# Allegro board 1281021_HW-FMC-XM500_Rev1_0.brd (continued)
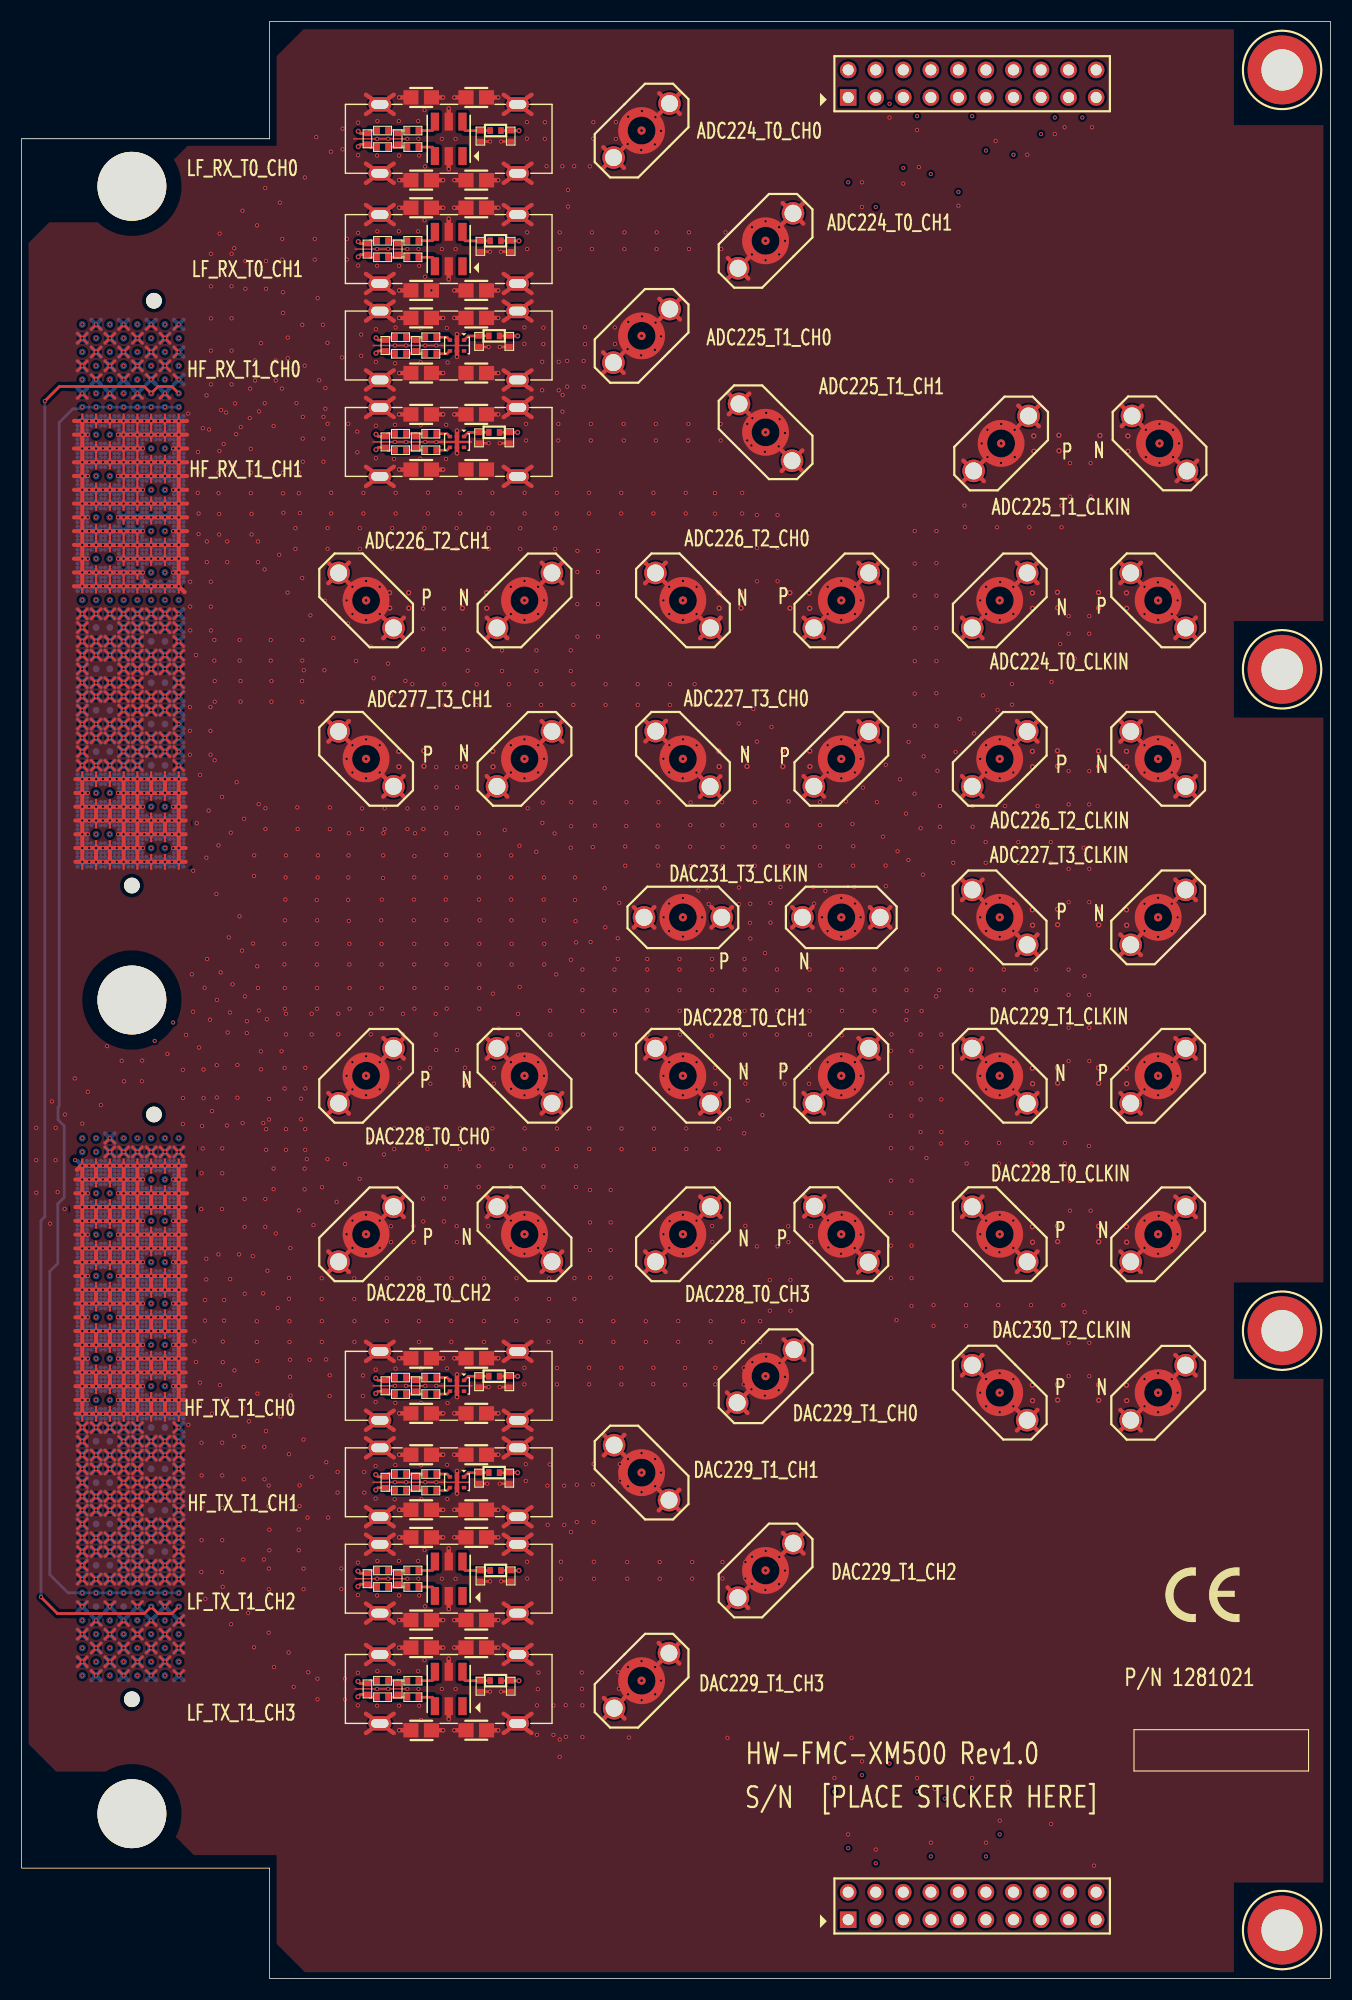
[diagram p0: board, top side]
## Nets (continued)
VCC1V8_BUS: J333.A6 J333.C6 J888.A35 J888.C35
VCC12_SW: J888.A1 J888.B1 J888.C1 J888.D1 J888.E1
ADC_CLKIN_0_N: J31.1 J333.B36
ADC_CLKIN_0_P: J30.1 J333.C36
ADC_CLKIN_1_N: J333.F35 J890.1
ADC_CLKIN_1_P: J333.G35 J889.1
ADC_CLKIN_2_N: J333.B39 J892.1
ADC_CLKIN_2_P: J333.C39 J891.1
ADC_CLKIN_3_N: J333.F38 J894.1
ADC_CLKIN_3_P: J333.G38 J893.1
ADCIO_00: J10.1 J333.A2
ADCIO_01: J10.3 J333.A4
ADCIO_02: J10.5 J333.B1
ADCIO_03: J10.7 J333.B3
ADCIO_04: J10.9(P9) J333.B5
ADCIO_05: J10.11 J333.C2
ADCIO_06: J10.13 J333.C4
ADCIO_07: J10.15 J333.D1
ADCIO_08: J10.17 J333.D3
ADCIO_09: J10.19 J333.D5
ADCIO_10: J10.20 J333.E2
ADCIO_11: J10.18 J333.E4
ADCIO_12: J10.16 J333.F1
ADCIO_13: J10.14 J333.F3
ADCIO_14: J10.12 J333.F5
ADCIO_15: J10.10 J333.G2
ADCIO_16: J10.8 J333.G4
ADCIO_17: J10.6 J333.H1
ADCIO_18: J10.4 J333.H3
ADCIO_19: J10.2 J333.H5
DAC_AVTT_BUS: J888.G1 J888.G2 J888.H1 J888.H2
DAC_CLKIN_0_N: J29.1 J888.B4
DAC_CLKIN_0_P: J28.1 J888.C4
DAC_CLKIN_1_N: J888.F5 J895.1
DAC_CLKIN_1_P: J888.G5 J896.1
DAC_CLKIN_2_N: J888.B7 J897.1
DAC_CLKIN_2_P: J888.C7 J898.1
DAC_CLKIN_3_N: J888.F8 J899.1
DAC_CLKIN_3_P: J888.G8 J900.1
DACIO_00: J9.1 J888.A37
DACIO_01: J9.3 J888.A39
DACIO_02: J9.5 J888.B36
DACIO_03: J9.7 J888.B38
DACIO_04: J9.9(P9) J888.B40
DACIO_05: J9.11 J888.C37
DACIO_06: J9.13 J888.C39
DACIO_07: J9.15 J888.D36
DACIO_08: J9.17 J888.D38
DACIO_09: J9.19 J888.D40
DACIO_10: J9.20 J888.E37
DACIO_11: J9.18 J888.E39
DACIO_12: J9.16 J888.F36
DACIO_13: J9.14 J888.F38
DACIO_14: J9.12 J888.F40
DACIO_15: J9.10 J888.G37
DACIO_16: J9.8 J888.G39
DACIO_17: J9.6 J888.H36
DACIO_18: J9.4 J888.H38
DACIO_19: J9.2 J888.H40
RFMC_ADC_00_N: J333.F9 R57.2 R59.1
RFMC_ADC_00_P: J333.G9 R59.2 R62.2
RFMC_ADC_01_N: J333.B10 R49.2 R52.1
RFMC_ADC_01_P: J333.C10 R52.2 R55.2
RFMC_ADC_02_N: J333.F12 R45.2 R48.2
RFMC_ADC_02_P: J333.G12 R43.2 R45.1
RFMC_ADC_03_N: J333.B13 R38.2 R41.2
RFMC_ADC_03_P: J333.C13 R35.2 R38.1
RFMC_ADC_04_N: J32.1 J333.F15
RFMC_ADC_04_P: J33.1 J333.G15
RFMC_ADC_05_N: J35.1 J333.B16
RFMC_ADC_05_P: J34.1 J333.C16
RFMC_ADC_06_N: J36.1 J333.F18
RFMC_ADC_06_P: J37.1 J333.G18
RFMC_ADC_07_N: J40.1 J333.B19
RFMC_ADC_07_P: J39.1 J333.C19
RFMC_DAC_00_N: J27.1 J888.B10
RFMC_DAC_00_P: J26.1 J888.C10
RFMC_DAC_01_N: J21.1 J888.F11
RFMC_DAC_01_P: J20.1 J888.G11
RFMC_DAC_02_N: J23.1 J888.B13
RFMC_DAC_02_P: J22.1 J888.C13
RFMC_DAC_03_N: J25.1 J888.F14
RFMC_DAC_03_P: J24.1 J888.G14
RFMC_DAC_04_N: J888.B16 R13.2 R15.1
RFMC_DAC_04_P: J888.C16 R15.2 R18.2
RFMC_DAC_05_N: J888.F17 R1.2 R4.1
RFMC_DAC_05_P: J888.G17 R4.2 R7.2
RFMC_DAC_06_N: J888.B19 R31.2 R34.2
RFMC_DAC_06_P: J888.C19 R28.2 R31.1
RFMC_DAC_07_N: J888.F20 R23.2 R26.2
RFMC_DAC_07_P: J888.G20 R20.2 R23.1
RFMC_I2C_SCL: J333.G6
RFMC_I2C_SDA: J333.E6
UTIL_3V3: J333.A7 J333.B7 J333.C7 J333.D7 J333.E7 J333.F7 J333.G7 J333.H7 J888.A34 J888.B34 J888.C34 J888.D34 J888.E34 J888.F34 J888.G34 J888.H34
VCM01_224: J333.A21
VCM01_225: J333.C21
VCM01_226: J333.E21
VCM01_227: J333.G21
VCM23_224: J333.B21
VCM23_225: J333.D21
VCM23_226: J333.F21
VCM23_227: J333.H21
N21418007: R96.1 R118.2 U6.1
N21418010: J1.1 R95.1 R118.1
N21418022: C11.2 R35.1 R37.1
N21418024: C12.2 R37.2 R41.1
N21418030: C11.1 U6.3
N21418037: C12.1 U6.4(Q2)
N21418044: R98.1 R117.2 U7.1
N21418047: J2.1 R97.1 R117.1
N21418055: C13.2 R43.1 R44.1
N21418057: C14.2 R44.2 R48.1
N21418063: C13.1 U7.3
N21418070: C14.1 U7.4(Q2)
N21418077: R100.1 R116.2 U8.6
N21418080: J3.1 R99.1 R116.1
N21418088: C15.2 R49.1 R51.1
N21418090: C16.2 R51.2 R55.1
N21418096: C15.1 U8.3(S-)
N21418103: C16.1 U8.4
N21418110: R102.1 R115.2 U9.6
N21418113: J4.1 R101.1 R115.1
N21418117: C17.2 R57.1 R58.1
N21418119: C18.2 R58.2 R62.1
N21418125: C17.1 U9.3(S-)
N21418132: C18.1 U9.4
N21476809: J8.1 R109.1 R111.1
N21476811: J7.1 R107.1 R112.1
N21476813: J6.1 R105.1 R113.1
N21476815: J5.1 R103.1 R114.1
N21476841: R110.1 R111.2 U1.1
N21476891: C1.2 R1.1 R3.1
N21476895: C2.2 R3.2 R7.1
N21476935: C1.1 U1.3
N21476949: C2.1 U1.4(Q2)
N21477094: R106.1 R113.2 U4.6
N21477134: C7.2 R20.1 R22.1
N21477138: C8.2 R22.2 R26.1
N21477150: C7.1 U4.3(S-)
N21477160: C8.1 U4.4
N21477168: R104.1 R114.2 U5.6
N21477182: C9.2 R28.1 R30.1
N21477186: C10.2 R30.2 R34.1
N21477198: C9.1 U5.3(S-)
N21477208: C10.1 U5.4
N21477544: R108.1 R112.2 U3.1
N21477617: C5.2 R13.1 R14.1
N21477645: C6.2 R14.2 R18.1
N21477697: C5.1 U3.3
N21477711: C6.1 U3.4(Q2)

Pads without a net: J333 B24 B27 B30 B33 C24 C27 C30 C33 F23 F26 F29 F32 G23 G26 G29 G32; J888 B22 B25 B28 B31 C22 C25 C28 C31 E35 F23 F26 F29 F32 G23 G26 G29 G32 G35; MH11 1; MH12 1; MH13 1; MH14 1; U1 6; U3 6; U4 1; U5 1; U6 6; U7 6; U8 1; U9 1

## Via types
v1: diameter 0.483, hole 0.254, TOP to L02_GND/RF-SIG, 64 vias
v2: diameter 0.381, hole 0.229, TOP to BOTTOM, 2515 vias
v3: diameter 0.483, hole 0.254, TOP to BOTTOM, 88 vias

## Routing (per net, layer and track width the routed paths; a pad name or vN(x,y) marks a point on that pad's centre or on a via; arc(x,y) is an arc through that point)
AGND: length 7708
  TOP w0.127: 30.73,159.39 v2(32.77,159.39) v2(33.78,159.39) v2(35.56,159.39) ; v2(38.23,141.6) v2(37.21,141.6) v2(35.43,141.6) v2(34.42,141.6) 32.39,141.6 ; 35.43,36.83 v2(33.78,36.83) v2(32.77,36.83) 30.73,36.83 ; 32.39,45.72 v2(34.42,45.72) v2(35.43,45.72) v2(37.21,45.72) v2(38.23,45.72) 41.27,45.72 ; 35.43,169.55 v2(33.78,169.55) v2(32.77,169.55) 30.61,169.55 ; 30.73,26.67 v2(32.77,26.67) v2(33.78,26.67) 35.43,26.67 ; v2(38.23,54.61) 41.53,54.61 ; v2(35.43,54.61) v2(37.21,54.61) ; 41.27,150.5 v2(38.23,150.5) v2(37.21,150.5) v2(35.43,150.5) v2(34.42,150.5) 32.39,150.5 ; v2(34.42,54.61) 32.39,54.61
  TOP w0.203: 8.94,48.69 v2(9.4,48.23) ; v2(9.4,48.23) 9.86,47.76 ; v2(9.4,48.23) 8.94,47.76 ; v2(9.4,48.23) 9.86,48.69 ; 8.94,151.97 v2(9.4,152.43) 9.86,151.97 ; 14.02,120.22 v2(14.48,120.68) ; v2(14.48,120.68) 14.02,121.15 ; v2(14.48,120.68) 14.94,121.15 ; v2(14.48,120.68) 14.94,120.22 ; 8.94,113.53 v2(9.4,113.06) ; v2(9.4,113.06) 8.94,112.6 ; v2(9.4,113.06) 9.86,112.6 ; v2(9.4,113.06) 9.86,113.53 ; v2(14.48,44.42) 14.94,44.88 ; v2(14.48,44.42) 14.94,43.95 ; v2(14.48,44.42) 14.02,44.88 ; v2(14.48,44.42) 14.02,43.95 ; 10.21,112.6 v2(10.67,113.06) ; v2(10.67,113.06) 11.13,113.53 ; v2(10.67,113.06) 11.13,112.6 ; v2(10.67,113.06) 10.21,113.53 ; 6.4,38.87 v2(6.86,39.34) ; v2(6.86,39.34) 6.4,39.8 ; v2(6.86,39.34) 7.32,39.8 ; v2(6.86,39.34) 7.32,38.87 ; 7.67,118.61 v2(8.13,118.14) ; v2(8.13,118.14) 8.59,117.68 ; v2(8.13,118.14) 7.67,117.68 ; v2(8.13,118.14) 8.59,118.61 ; 5.13,49.96 v2(5.59,49.5) ; v2(5.59,49.5) 6.05,49.96 ; v2(5.59,49.5) 6.05,49.03 ; v2(5.59,49.5) 5.13,49.03 ; 5.13,32.18 v2(5.59,31.72) ; v2(5.59,31.72) 6.05,31.25 ; v2(5.59,31.72) 5.13,31.25 ; v2(5.59,31.72) 6.05,32.18 ; v2(13.21,48.23) 13.67,47.76 ; v2(13.21,48.23) 13.67,48.69 ; v2(13.21,48.23) 12.75,47.76 ; v2(13.21,48.23) 12.75,48.69 ; 5.13,116.41 v2(5.59,116.87) ; v2(5.59,116.87) 6.05,116.41 ; v2(5.59,116.87) 6.05,117.34 ; v2(5.59,116.87) 5.13,117.34 ; 7.67,122.76 v2(8.13,123.22) ; v2(8.13,123.22) 8.59,123.69 ; v2(8.13,123.22) 7.67,123.69 ; v2(8.13,123.22) 8.59,122.76 ; v2(14.48,41.88) 14.94,42.34 ; v2(14.48,41.88) 14.94,41.41 ; v2(14.48,41.88) 14.02,41.41 ; v2(14.48,41.88) 14.02,42.34 ; v2(10.67,43.15) 11.13,42.68 ; v2(10.67,43.15) 10.21,42.68 ; v2(10.67,43.15) 10.21,43.61 ; v2(10.67,43.15) 11.13,43.61 ; 14.02,38.87 v2(14.48,39.34) ; v2(14.48,39.34) 14.02,39.8 ; v2(14.48,39.34) 14.94,38.87 ; v2(14.48,39.34) 14.94,39.8 ; v2(5.59,46.96) 6.05,47.42 ; v2(5.59,46.96) 5.13,47.42 ; v2(5.59,46.96) 6.05,46.49 ; v2(5.59,46.96) 5.13,46.49 ; v2(14.48,111.79) 14.94,111.33 ; v2(14.48,111.79) 14.02,112.26 ; v2(14.48,111.79) 14.02,111.33 ; 10.21,118.95 v2(10.67,119.41) ; v2(10.67,119.41) 10.21,119.88 ; v2(10.67,119.41) 11.13,118.95 ; v2(10.67,119.41) 11.13,119.88 ; 8.94,118.61 v2(9.4,118.14) ; v2(9.4,118.14) 8.94,117.68 ; v2(9.4,118.14) 9.86,117.68 ; v2(9.4,118.14) 9.86,118.61 ; v2(11.94,41.88) 12.4,42.34 ; v2(11.94,41.88) 11.48,41.41 ; v2(11.94,41.88) 11.48,42.34 ; v2(11.94,41.88) 12.4,41.41 ; v2(9.4,111.79) 9.86,112.26 ; v2(9.4,111.79) 8.94,112.26 ; v2(9.4,111.79) 9.86,111.33 ; v2(9.4,111.79) 8.94,111.33 ; v2(5.59,118.14) 6.05,117.68 ; v2(5.59,118.14) 5.13,118.61 ; v2(5.59,118.14) 5.13,117.68 ; v2(5.59,118.14) 6.05,118.61 ; v2(5.59,148.62) 6.05,148.16 ; v2(5.59,148.62) 5.13,148.16 ; v2(5.59,148.62) 5.13,149.09 ; v2(5.59,148.62) 6.05,149.09 ; 7.67,145.62 v2(8.13,146.08) 8.59,145.62 ; 7.67,114.8 v2(8.13,114.33) ; v2(8.13,114.33) 8.59,114.8 ; v2(8.13,114.33) 7.67,113.87 ; v2(8.13,114.33) 8.59,113.87 ; v2(6.86,123.22) 7.32,122.76 ; v2(6.86,123.22) 7.32,123.69 ; v2(6.86,123.22) 6.4,123.69 ; v2(6.86,123.22) 6.4,122.76 ; 7.67,75.7 v2(8.13,76.17) ; v2(8.13,76.17) 8.59,76.63 ; v2(8.13,76.17) 8.59,75.7 ; v2(8.13,76.17) 7.67,76.63 ; 10.21,151.63 v2(10.67,151.16) ; v2(10.67,151.16) 10.21,150.7 ; v2(10.67,151.16) 11.13,151.63 ; v2(10.67,151.16) 11.13,150.7 ; 6.4,122.42 v2(6.86,121.95) ; v2(6.86,121.95) 6.4,121.49 ; v2(6.86,121.95) 7.32,121.49 ; v2(6.86,121.95) 7.32,122.42 ; 6.4,47.42 v2(6.86,46.96) ; v2(6.86,46.96) 7.32,46.49 ; v2(6.86,46.96) 6.4,46.49 ; v2(6.86,46.96) 7.32,47.42 ; 7.67,47.76 v2(8.13,48.23) ; v2(8.13,48.23) 8.59,47.76 ; v2(8.13,48.23) 8.59,48.69 ; v2(8.13,48.23) 7.67,48.69 ; v2(13.21,114.33) 13.67,114.8 ; v2(13.21,114.33) 12.75,114.8 ; v2(13.21,114.33) 12.75,113.87 ; v2(13.21,114.33) 13.67,113.87 ; 11.48,41.07 v2(11.94,40.61) ; v2(11.94,40.61) 12.4,40.14 ; v2(11.94,40.61) 11.48,40.14 ; v2(11.94,40.61) 12.4,41.07 ; v2(9.4,38.07) 9.86,38.53 ; v2(9.4,38.07) 8.94,38.53 ; v2(9.4,38.07) 8.94,37.6 ; v2(9.4,38.07) 9.86,37.6 ; v2(10.67,125.76) 11.13,125.3 ; v2(10.67,125.76) 10.21,125.3 ; v2(10.67,125.76) 11.13,126.23 ; v2(10.67,125.76) 10.21,126.23 ; 6.4,29.98 v2(6.86,30.45) ; v2(6.86,30.45) 7.32,29.98 ; v2(6.86,30.45) 7.32,30.91 ; v2(6.86,30.45) 6.4,30.91 ; v2(5.59,43.15) 6.05,43.61 ; v2(5.59,43.15) 5.13,43.61 ; v2(5.59,43.15) 6.05,42.68 ; v2(5.59,43.15) 5.13,42.68 ; 14.02,116.07 v2(14.48,115.6) 14.02,115.14 ; 14.02,121.49 v2(14.48,121.95) ; v2(14.48,121.95) 14.02,122.42 ; v2(14.48,121.95) 14.94,122.42 ; v2(14.48,121.95) 14.94,121.49 ; 6.4,125.3 v2(6.86,125.76) ; v2(6.86,125.76) 7.32,125.3 ; v2(6.86,125.76) 6.4,126.23 ; v2(6.86,125.76) 7.32,126.23 ; v2(10.67,76.17) 11.13,76.63 ; v2(10.67,76.17) 11.13,75.7 ; v2(10.67,76.17) 10.21,76.63 ; v2(10.67,76.17) 10.21,75.7 ; 11.48,37.26 v2(11.94,36.8) ; v2(11.94,36.8) 11.48,36.33 ; v2(11.94,36.8) 12.4,37.26 ; v2(11.94,36.8) 12.4,36.33 ; 10.21,28.71 v2(10.67,29.18) ; v2(10.67,29.18) 10.21,29.64 ; v2(10.67,29.18) 11.13,29.64 ; v2(10.67,29.18) 11.13,28.71 ; v2(9.4,115.6) 9.86,115.14 ; v2(9.4,115.6) 9.86,116.07 ; v2(9.4,115.6) 8.94,115.14 ; v2(9.4,115.6) 8.94,116.07 ; 14.02,116.41 v2(14.48,116.87) 14.02,117.34 ; 6.4,28.37 v2(6.86,27.91) 7.32,28.37 ; v2(13.21,29.18) 13.67,28.71 ; v2(13.21,29.18) 12.75,28.71 ; v2(13.21,29.18) 12.75,29.64 ; v2(13.21,29.18) 13.67,29.64 ; 5.13,121.49 v2(5.59,121.95) ; v2(5.59,121.95) 5.13,122.42 ; v2(5.59,121.95) 6.05,121.49 ; v2(5.59,121.95) 6.05,122.42 ; 10.21,47.76 v2(10.67,48.23) ; v2(10.67,48.23) 11.13,47.76 ; v2(10.67,48.23) 10.21,48.69 ; v2(10.67,48.23) 11.13,48.69 ; 12.75,117.34 v2(13.21,116.87) ; v2(13.21,116.87) 13.67,116.41 ; v2(13.21,116.87) 12.75,116.41 ; v2(13.21,116.87) 13.67,117.34 ; v2(14.48,43.15) 14.94,42.68 ; v2(14.48,43.15) 14.94,43.61 ; v2(14.48,43.15) 14.02,42.68 ; v2(14.48,43.15) 14.02,43.61 ; 10.21,43.95 v2(10.67,44.42) ; v2(10.67,44.42) 11.13,44.88 ; v2(10.67,44.42) 10.21,44.88 ; v2(10.67,44.42) 11.13,43.95 ; v2(13.21,121.95) 13.67,122.42 ; v2(13.21,121.95) 12.75,122.42 ; v2(13.21,121.95) 12.75,121.49 ; v2(13.21,121.95) 13.67,121.49 ; 5.13,43.95 v2(5.59,44.42) ; v2(5.59,44.42) 6.05,44.88 ; v2(5.59,44.42) 5.13,44.88 ; v2(5.59,44.42) 6.05,43.95 ; v2(5.59,123.22) 6.05,122.76 ; v2(5.59,123.22) 5.13,123.69 ; v2(5.59,123.22) 6.05,123.69 ; v2(5.59,123.22) 5.13,122.76 ; v2(8.13,148.62) 8.59,149.09 ; v2(8.13,148.62) 7.67,149.09 ; v2(8.13,148.62) 7.67,148.16 ; v2(8.13,148.62) 8.59,148.16 ; 7.67,29.64 v2(8.13,29.18) ; v2(8.13,29.18) 8.59,28.71 ; v2(8.13,29.18) 7.67,28.71 ; v2(8.13,29.18) 8.59,29.64 ; 8.94,126.23 v2(9.4,125.76) ; v2(9.4,125.76) 9.86,125.3 ; v2(9.4,125.76) 9.86,126.23 ; v2(9.4,125.76) 8.94,125.3 ; v2(9.4,119.41) 9.86,118.95 ; v2(9.4,119.41) 8.94,119.88 ; v2(9.4,119.41) 8.94,118.95 ; v2(9.4,119.41) 9.86,119.88 ; 6.4,119.88 v2(6.86,119.41) ; v2(6.86,119.41) 7.32,118.95 ; v2(6.86,119.41) 6.4,118.95 ; v2(6.86,119.41) 7.32,119.88 ; v2(13.21,36.8) 13.67,36.33 ; v2(13.21,36.8) 12.75,37.26 ; v2(13.21,36.8) 12.75,36.33 ; v2(13.21,36.8) 13.67,37.26 ; v2(10.67,46.96) 11.13,46.49 ; v2(10.67,46.96) 10.21,47.42 ; v2(10.67,46.96) 10.21,46.49 ; v2(10.67,46.96) 11.13,47.42 ; v2(8.13,121.95) 8.59,121.49 ; v2(8.13,121.95) 7.67,121.49 ; v2(8.13,121.95) 7.67,122.42 ; v2(8.13,121.95) 8.59,122.42 ; 14.02,47.42 v2(14.48,46.96) ; v2(14.48,46.96) 14.94,46.49 ; v2(14.48,46.96) 14.94,47.42 ; v2(14.48,46.96) 14.02,46.49 ; 6.4,149.43 v2(6.86,149.89) ; v2(6.86,149.89) 7.32,150.36 ; v2(6.86,149.89) 6.4,150.36 ; v2(6.86,149.89) 7.32,149.43 ; 11.48,121.49 v2(11.94,121.95) ; v2(11.94,121.95) 12.4,121.49 ; v2(11.94,121.95) 12.4,122.42 ; v2(11.94,121.95) 11.48,122.42 ; 5.13,119.88 v2(5.59,119.41) ; v2(5.59,119.41) 5.13,118.95 ; v2(5.59,119.41) 6.05,118.95 ; v2(5.59,119.41) 6.05,119.88 ; 14.02,125.3 v2(14.48,125.76) 14.02,126.23 ; 12.75,117.68 v2(13.21,118.14) ; v2(13.21,118.14) 13.67,117.68 ; v2(13.21,118.14) 13.67,118.61 ; v2(13.21,118.14) 12.75,118.61 ; v2(5.59,111.79) 6.05,112.26 ; v2(5.59,111.79) 5.13,111.33 ; v2(5.59,111.79) 6.05,111.33 ; v2(5.59,111.79) 5.13,112.26 ; v2(5.59,48.23) 6.05,48.69 ; v2(5.59,48.23) 5.13,48.69 ; v2(5.59,48.23) 6.05,47.76 ; v2(5.59,48.23) 5.13,47.76 ; v2(11.94,114.33) 12.4,113.87 ; v2(11.94,114.33) 11.48,113.87 ; v2(11.94,114.33) 12.4,114.8 ; v2(11.94,114.33) 11.48,114.8 ; 10.21,32.18 v2(10.67,31.72) ; v2(10.67,31.72) 10.21,31.25 ; v2(10.67,31.72) 11.13,31.25 ; v2(10.67,31.72) 11.13,32.18 ; 11.48,38.53 v2(11.94,38.07) ; v2(11.94,38.07) 12.4,37.6 ; v2(11.94,38.07) 11.48,37.6 ; v2(11.94,38.07) 12.4,38.53 ; v2(14.48,76.17) 14.94,76.63 ; v2(14.48,76.17) 14.02,75.7 ; v2(14.48,76.17) 14.02,76.63 ; v2(14.48,76.17) 14.94,75.7 ; v2(13.21,40.61) 13.67,40.14 ; v2(13.21,40.61) 12.75,41.07 ; v2(13.21,40.61) 12.75,40.14 ; v2(13.21,40.61) 13.67,41.07 ; 6.4,116.07 v2(6.86,115.6) ; v2(6.86,115.6) 6.4,115.14 ; v2(6.86,115.6) 7.32,115.14 ; v2(6.86,115.6) 7.32,116.07 ; 11.48,120.22 v2(11.94,120.68) ; v2(11.94,120.68) 12.4,121.15 ; v2(11.94,120.68) 11.48,121.15 ; v2(11.94,120.68) 12.4,120.22 ; v2(14.48,48.23) 14.94,48.69 ; v2(14.48,48.23) 14.94,47.76 ; v2(14.48,48.23) 14.02,47.76 ; v2(14.48,48.23) 14.02,48.69 ; v2(6.86,36.8) 7.32,37.26 ; v2(6.86,36.8) 7.32,36.33 ; v2(6.86,36.8) 6.4,37.26 ; v2(6.86,36.8) 6.4,36.33 ; v2(5.59,125.76) 6.05,125.3 ; v2(5.59,125.76) 5.13,126.23 ; v2(5.59,125.76) 5.13,125.3 ; v2(5.59,125.76) 6.05,126.23 ; 10.21,50.3 v2(10.67,50.77) ; v2(10.67,50.77) 10.21,51.23 ; v2(10.67,50.77) 11.13,51.23 ; v2(10.67,50.77) 11.13,50.3 ; 12.75,148.16 v2(13.21,148.62) ; v2(13.21,148.62) 12.75,149.09 ; v2(13.21,148.62) 13.67,149.09 ; v2(13.21,148.62) 13.67,148.16 ; v2(6.86,40.61) 7.32,40.14 ; v2(6.86,40.61) 6.4,41.07 ; v2(6.86,40.61) 7.32,41.07 ; v2(6.86,40.61) 6.4,40.14 ; v2(13.21,41.88) 13.67,41.41 ; v2(13.21,41.88) 12.75,41.41 ; v2(13.21,41.88) 13.67,42.34 ; v2(13.21,41.88) 12.75,42.34 ; 7.67,36.33 v2(8.13,36.8) ; v2(8.13,36.8) 7.67,37.26 ; v2(8.13,36.8) 8.59,37.26 ; v2(8.13,36.8) 8.59,36.33 ; 8.94,45.22 v2(9.4,45.69) ; v2(9.4,45.69) 9.86,46.15 ; v2(9.4,45.69) 8.94,46.15 ; v2(9.4,45.69) 9.86,45.22 ; v2(13.21,49.5) 13.67,49.96 ; v2(13.21,49.5) 12.75,49.03 ; v2(13.21,49.5) 12.75,49.96 ; v2(13.21,49.5) 13.67,49.03 ; v2(5.59,50.77) 6.05,50.3 ; v2(5.59,50.77) 5.13,50.3 ; v2(5.59,50.77) 6.05,51.23 ; v2(5.59,50.77) 5.13,51.23 ; 11.48,124.03 v2(11.94,124.49) ; v2(11.94,124.49) 11.48,124.96 ; v2(11.94,124.49) 12.4,124.96 ; v2(11.94,124.49) 12.4,124.03 ; 7.67,112.26 v2(8.13,111.79) ; v2(8.13,111.79) 8.59,112.26 ; v2(8.13,111.79) 7.67,111.33 ; v2(8.13,111.79) 8.59,111.33 ; v2(9.4,36.8) 9.86,36.33 ; v2(9.4,36.8) 9.86,37.26 ; v2(9.4,36.8) 8.94,36.33 ; v2(9.4,36.8) 8.94,37.26 ; 12.75,124.03 v2(13.21,124.49) ; v2(13.21,124.49) 13.67,124.03 ; v2(13.21,124.49) 13.67,124.96 ; v2(13.21,124.49) 12.75,124.96 ; v2(10.67,36.8) 11.13,37.26 ; v2(10.67,36.8) 10.21,36.33 ; v2(10.67,36.8) 10.21,37.26 ; v2(10.67,36.8) 11.13,36.33 ; 12.75,125.3 v2(13.21,125.76) ; v2(13.21,125.76) 12.75,126.23 ; v2(13.21,125.76) 13.67,126.23 ; v2(13.21,125.76) 13.67,125.3 ; v2(10.67,148.62) 11.13,149.09 ; v2(10.67,148.62) 10.21,148.16 ; v2(10.67,148.62) 10.21,149.09 ; v2(10.67,148.62) 11.13,148.16 ; 12.75,121.15 v2(13.21,120.68) ; v2(13.21,120.68) 13.67,121.15 ; v2(13.21,120.68) 12.75,120.22 ; v2(13.21,120.68) 13.67,120.22 ; 14.02,122.76 v2(14.48,123.22) ; v2(14.48,123.22) 14.02,123.69 ; v2(14.48,123.22) 14.94,122.76 ; 7.67,76.97 v2(8.13,77.44) 8.59,76.97 ; v2(9.4,114.33) 9.86,114.8 ; v2(9.4,114.33) 8.94,113.87 ; v2(9.4,114.33) 9.86,113.87 ; v2(9.4,114.33) 8.94,114.8 ; v2(5.59,120.68) 6.05,120.22 ; v2(5.59,120.68) 5.13,121.15 ; v2(5.59,120.68) 5.13,120.22 ; v2(5.59,120.68) 6.05,121.15 ; v2(10.67,114.33) 11.13,114.8 ; v2(10.67,114.33) 11.13,113.87 ; v2(10.67,114.33) 10.21,114.8 ; v2(10.67,114.33) 10.21,113.87 ; 14.02,45.22 v2(14.48,45.69) ; v2(14.48,45.69) 14.94,46.15 ; v2(14.48,45.69) 14.02,46.15 ; v2(14.48,45.69) 14.94,45.22 ; v2(14.48,32.99) 14.94,32.52 ; v2(14.48,32.99) 14.02,32.52 ; v2(14.48,32.99) 14.94,33.45 ; 10.21,120.22 v2(10.67,120.68) ; v2(10.67,120.68) 11.13,120.22 ; v2(10.67,120.68) 10.21,121.15 ; v2(10.67,120.68) 11.13,121.15 ; 10.21,45.22 v2(10.67,45.69) ; v2(10.67,45.69) 11.13,45.22 ; v2(10.67,45.69) 10.21,46.15 ; v2(10.67,45.69) 11.13,46.15 ; 8.94,51.23 v2(9.4,50.77) ; v2(9.4,50.77) 9.86,50.3 ; v2(9.4,50.77) 8.94,50.3 ; v2(9.4,50.77) 9.86,51.23 ; 12.75,145.62 v2(13.21,146.08) 13.67,145.62 ; 7.67,38.87 v2(8.13,39.34) ; v2(8.13,39.34) 8.59,38.87 ; v2(8.13,39.34) 8.59,39.8 ; v2(8.13,39.34) 7.67,39.8 ; v2(10.67,124.49) 11.13,124.03 ; v2(10.67,124.49) 11.13,124.96 ; v2(10.67,124.49) 10.21,124.96 ; v2(10.67,124.49) 10.21,124.03 ; v2(14.48,38.07) 14.94,38.53 ; v2(14.48,38.07) 14.02,38.53 ; v2(14.48,38.07) 14.02,37.6 ; v2(14.48,38.07) 14.94,37.6 ; 14.02,117.68 v2(14.48,118.14) ; v2(14.48,118.14) 14.02,118.61 ; v2(14.48,118.14) 14.94,118.61 ; 7.67,118.95 v2(8.13,119.41) ; v2(8.13,119.41) 8.59,118.95 ; v2(8.13,119.41) 8.59,119.88 ; v2(8.13,119.41) 7.67,119.88 ; v2(5.59,113.06) 6.05,113.53 ; v2(5.59,113.06) 5.13,112.6 ; v2(5.59,113.06) 5.13,113.53 ; v2(5.59,113.06) 6.05,112.6 ; v2(5.59,41.88) 6.05,42.34 ; v2(5.59,41.88) 5.13,41.41 ; v2(5.59,41.88) 6.05,41.41 ; v2(5.59,41.88) 5.13,42.34 ; 11.48,150.36 v2(11.94,149.89) ; v2(11.94,149.89) 12.4,149.43 ; v2(11.94,149.89) 11.48,149.43 ; v2(11.94,149.89) 12.4,150.36 ; 8.94,28.37 v2(9.4,27.91) 9.86,28.37 ; 11.48,30.91 v2(11.94,30.45) ; v2(11.94,30.45) 12.4,30.91 ; v2(11.94,30.45) 12.4,29.98 ; v2(11.94,30.45) 11.48,29.98 ; v2(6.86,48.23) 7.32,48.69 ; v2(6.86,48.23) 6.4,47.76 ; v2(6.86,48.23) 7.32,47.76 ; v2(6.86,48.23) 6.4,48.69 ; 11.48,117.68 v2(11.94,118.14) ; v2(11.94,118.14) 12.4,117.68 ; v2(11.94,118.14) 11.48,118.61 ; v2(11.94,118.14) 12.4,118.61 ; v2(11.94,76.17) 12.4,75.7 ; v2(11.94,76.17) 11.48,75.7 ; v2(11.94,76.17) 11.48,76.63 ; v2(11.94,76.17) 12.4,76.63 ; 7.67,47.42 v2(8.13,46.96) ; v2(8.13,46.96) 7.67,46.49 ; v2(8.13,46.96) 8.59,46.49 ; v2(8.13,46.96) 8.59,47.42 ; v2(8.13,50.77) 8.59,50.3 ; v2(8.13,50.77) 8.59,51.23 ; v2(8.13,50.77) 7.67,51.23 ; v2(8.13,50.77) 7.67,50.3 ; 7.67,44.88 v2(8.13,44.42) ; v2(8.13,44.42) 8.59,43.95 ; v2(8.13,44.42) 8.59,44.88 ; v2(8.13,44.42) 7.67,43.95 ; 8.94,32.52 v2(9.4,32.99) 9.86,32.52 ; 6.4,51.23 v2(6.86,50.77) ; v2(6.86,50.77) 7.32,50.3 ; v2(6.86,50.77) 6.4,50.3 ; v2(6.86,50.77) 7.32,51.23 ; v2(14.48,49.5) 14.94,49.03 ; v2(14.48,49.5) 14.02,49.03 ; v2(14.48,49.5) 14.02,49.96 ; v2(11.94,44.42) 12.4,43.95 ; v2(11.94,44.42) 11.48,43.95 ; v2(11.94,44.42) 12.4,44.88 ; v2(11.94,44.42) 11.48,44.88 ; v2(8.13,151.16) 8.59,151.63 ; v2(8.13,151.16) 7.67,151.63 ; v2(8.13,151.16) 7.67,150.7 ; v2(8.13,151.16) 8.59,150.7 ; v2(10.67,111.79) 11.13,111.33 ; v2(10.67,111.79) 10.21,111.33 ; v2(10.67,111.79) 11.13,112.26 ; v2(10.67,111.79) 10.21,112.26 ; 10.21,34.72 v2(10.67,34.26) 11.13,34.72 ; v2(13.21,31.72) 13.67,32.18 ; v2(13.21,31.72) 12.75,31.25 ; v2(13.21,31.72) 12.75,32.18 ; v2(13.21,31.72) 13.67,31.25 ; 5.13,124.03 v2(5.59,124.49) ; v2(5.59,124.49) 5.13,124.96 ; v2(5.59,124.49) 6.05,124.96 ; v2(5.59,124.49) 6.05,124.03 ; 10.21,121.49 v2(10.67,121.95) ; v2(10.67,121.95) 11.13,121.49 ; v2(10.67,121.95) 10.21,122.42 ; v2(10.67,121.95) 11.13,122.42 ; 8.94,121.15 v2(9.4,120.68) ; v2(9.4,120.68) 9.86,120.22 ; v2(9.4,120.68) 8.94,120.22 ; v2(9.4,120.68) 9.86,121.15 ; 14.02,30.91 v2(14.48,30.45) ; v2(14.48,30.45) 14.94,30.91 ; v2(14.48,30.45) 14.94,29.98 ; v2(14.48,30.45) 14.02,29.98 ; v2(9.4,46.96) 9.86,47.42 ; v2(9.4,46.96) 9.86,46.49 ; v2(9.4,46.96) 8.94,47.42 ; v2(9.4,46.96) 8.94,46.49 ; v2(13.21,44.42) 13.67,44.88 ; v2(13.21,44.42) 13.67,43.95 ; v2(13.21,44.42) 12.75,43.95 ; v2(13.21,44.42) 12.75,44.88 ; 8.94,121.49 v2(9.4,121.95) ; v2(9.4,121.95) 9.86,122.42 ; v2(9.4,121.95) 9.86,121.49 ; v2(9.4,121.95) 8.94,122.42 ; 6.05,145.62 v2(5.59,146.08) 5.13,145.62 ; 8.94,75.7 v2(9.4,76.17) ; v2(9.4,76.17) 8.94,76.63 ; v2(9.4,76.17) 9.86,76.63 ; v2(9.4,76.17) 9.86,75.7 ; v2(5.59,114.33) 6.05,114.8 ; v2(5.59,114.33) 6.05,113.87 ; v2(5.59,114.33) 5.13,113.87 ; v2(5.59,114.33) 5.13,114.8 ; v2(9.4,40.61) 9.86,41.07 ; v2(9.4,40.61) 8.94,40.14 ; v2(9.4,40.61) 9.86,40.14 ; v2(9.4,40.61) 8.94,41.07 ; v2(6.86,111.79) 7.32,112.26 ; v2(6.86,111.79) 7.32,111.33 ; v2(6.86,111.79) 6.4,111.33 ; v2(6.86,111.79) 6.4,112.26 ; v2(8.13,40.61) 8.59,41.07 ; v2(8.13,40.61) 8.59,40.14 ; v2(8.13,40.61) 7.67,41.07 ; v2(8.13,40.61) 7.67,40.14 ; 12.75,150.7 v2(13.21,151.16) ; v2(13.21,151.16) 13.67,150.7 ; v2(13.21,151.16) 13.67,151.63 ; v2(13.21,151.16) 12.75,151.63 ; v2(9.4,149.89) 9.86,150.36 ; v2(9.4,149.89) 8.94,149.43 ; v2(9.4,149.89) 8.94,150.36 ; v2(9.4,149.89) 9.86,149.43 ; 11.48,113.53 v2(11.94,113.06) ; v2(11.94,113.06) 12.4,113.53 ; v2(11.94,113.06) 11.48,112.6 ; v2(11.94,113.06) 12.4,112.6 ; 10.21,42.34 v2(10.67,41.88) ; v2(10.67,41.88) 11.13,42.34 ; v2(10.67,41.88) 11.13,41.41 ; v2(10.67,41.88) 10.21,41.41 ; 10.21,38.53 v2(10.67,38.07) ; v2(10.67,38.07) 11.13,38.53 ; v2(10.67,38.07) 11.13,37.6 ; v2(10.67,38.07) 10.21,37.6 ; v2(5.59,40.61) 6.05,41.07 ; v2(5.59,40.61) 5.13,40.14 ; v2(5.59,40.61) 6.05,40.14 ; v2(5.59,40.61) 5.13,41.07 ; 14.02,41.07 v2(14.48,40.61) ; v2(14.48,40.61) 14.02,40.14 ; v2(14.48,40.61) 14.94,40.14 ; v2(14.48,40.61) 14.94,41.07 ; 5.13,151.63 v2(5.59,151.16) ; v2(5.59,151.16) 6.05,151.63 ; v2(5.59,151.16) 6.05,150.7 ; v2(5.59,151.16) 5.13,150.7 ; 14.02,113.53 v2(14.48,113.06) 14.02,112.6 ; 5.13,45.22 v2(5.59,45.69) ; v2(5.59,45.69) 5.13,46.15 ; v2(5.59,45.69) 6.05,45.22 ; v2(5.59,45.69) 6.05,46.15 ; v2(11.94,125.76) 12.4,125.3 ; v2(11.94,125.76) 12.4,126.23 ; v2(11.94,125.76) 11.48,126.23 ; v2(11.94,125.76) 11.48,125.3 ; 14.94,28.37 v2(14.48,27.91) 14.02,28.37 ; v2(10.67,123.22) 11.13,123.69 ; v2(10.67,123.22) 11.13,122.76 ; v2(10.67,123.22) 10.21,123.69 ; v2(10.67,123.22) 10.21,122.76 ; 7.67,125.3 v2(8.13,125.76) ; v2(8.13,125.76) 7.67,126.23 ; v2(8.13,125.76) 8.59,126.23 ; v2(8.13,125.76) 8.59,125.3 ; v2(11.94,116.87) 12.4,117.34 ; v2(11.94,116.87) 12.4,116.41 ; v2(11.94,116.87) 11.48,116.41 ; v2(11.94,116.87) 11.48,117.34 ; 10.21,117.34 v2(10.67,116.87) ; v2(10.67,116.87) 10.21,116.41 ; v2(10.67,116.87) 11.13,117.34 ; v2(10.67,116.87) 11.13,116.41 ; v2(5.59,36.8) 6.05,37.26 ; v2(5.59,36.8) 5.13,36.33 ; v2(5.59,36.8) 5.13,37.26 ; v2(5.59,36.8) 6.05,36.33 ; 8.94,44.88 v2(9.4,44.42) ; v2(9.4,44.42) 8.94,43.95 ; v2(9.4,44.42) 9.86,43.95 ; v2(9.4,44.42) 9.86,44.88 ; 11.48,49.03 v2(11.94,49.5) ; v2(11.94,49.5) 12.4,49.96 ; v2(11.94,49.5) 11.48,49.96 ; v2(11.94,49.5) 12.4,49.03 ; v2(13.21,38.07) 13.67,38.53 ; v2(13.21,38.07) 12.75,38.53 ; v2(13.21,38.07) 13.67,37.6 ; v2(13.21,38.07) 12.75,37.6 ; 11.13,145.62 v2(10.67,146.08) 10.21,145.62 ; 8.94,43.61 v2(9.4,43.15) ; v2(9.4,43.15) 8.94,42.68 ; v2(9.4,43.15) 9.86,43.61 ; v2(9.4,43.15) 9.86,42.68 ; 7.67,31.25 v2(8.13,31.72) ; v2(8.13,31.72) 8.59,32.18 ; v2(8.13,31.72) 7.67,32.18 ; v2(8.13,31.72) 8.59,31.25 ; 8.94,39.8 v2(9.4,39.34) ; v2(9.4,39.34) 9.86,38.87 ; v2(9.4,39.34) 9.86,39.8 ; v2(9.4,39.34) 8.94,38.87 ; 6.4,44.88 v2(6.86,44.42) ; v2(6.86,44.42) 7.32,43.95 ; v2(6.86,44.42) 7.32,44.88 ; v2(6.86,44.42) 6.4,43.95 ; v2(9.4,123.22) 9.86,123.69 ; v2(9.4,123.22) 8.94,122.76 ; v2(9.4,123.22) 9.86,122.76 ; v2(9.4,123.22) 8.94,123.69 ; v2(10.67,115.6) 11.13,116.07 ; v2(10.67,115.6) 10.21,115.14 ; v2(10.67,115.6) 10.21,116.07 ; v2(10.67,115.6) 11.13,115.14 ; 9.86,147.82 v2(9.4,147.35) 8.94,147.82 ; 12.4,28.37 v2(11.94,27.91) 11.48,28.37 ; v2(14.48,36.8) 14.94,37.26 ; v2(14.48,36.8) 14.02,37.26 ; v2(14.48,36.8) 14.94,36.33 ; v2(14.48,36.8) 14.02,36.33 ; v2(9.4,124.49) 9.86,124.03 ; v2(9.4,124.49) 8.94,124.03 ; v2(9.4,124.49) 9.86,124.96 ; v2(9.4,124.49) 8.94,124.96 ; 14.02,50.3 v2(14.48,50.77) 14.02,51.23 ; v2(5.59,115.6) 6.05,116.07 ; v2(5.59,115.6) 5.13,116.07 ; v2(5.59,115.6) 5.13,115.14 ; v2(5.59,115.6) 6.05,115.14 ; v2(10.67,39.34) 11.13,38.87 ; v2(10.67,39.34) 10.21,38.87 ; v2(10.67,39.34) 10.21,39.8 ; v2(10.67,39.34) 11.13,39.8 ; v2(13.21,45.69) 13.67,46.15 ; v2(13.21,45.69) 13.67,45.22 ; v2(13.21,45.69) 12.75,45.22 ; v2(13.21,45.69) 12.75,46.15 ; 11.48,32.52 v2(11.94,32.99) 12.4,32.52 ; 12.75,113.53 v2(13.21,113.06) ; v2(13.21,113.06) 13.67,112.6 ; v2(13.21,113.06) 12.75,112.6 ; v2(13.21,113.06) 13.67,113.53 ; 12.75,76.63 v2(13.21,76.17) ; v2(13.21,76.17) 13.67,76.63 ; v2(13.21,76.17) 13.67,75.7 ; v2(13.21,76.17) 12.75,75.7 ; 7.32,151.97 v2(6.86,152.43) 6.4,151.97 ; v2(9.4,30.45) 9.86,29.98 ; v2(9.4,30.45) 8.94,29.98 ; v2(9.4,30.45) 8.94,30.91 ; v2(9.4,30.45) 9.86,30.91 ; 5.13,29.64 v2(5.59,29.18) ; v2(5.59,29.18) 6.05,28.71 ; v2(5.59,29.18) 6.05,29.64 ; v2(5.59,29.18) 5.13,28.71 ; 14.02,118.95 v2(14.48,119.41) ; v2(14.48,119.41) 14.94,119.88 ; v2(14.48,119.41) 14.02,119.88 ; v2(14.48,119.41) 14.94,118.95 ; 11.48,45.22 v2(11.94,45.69) ; v2(11.94,45.69) 12.4,46.15 ; v2(11.94,45.69) 12.4,45.22 ; v2(11.94,45.69) 11.48,46.15 ; 10.21,49.03 v2(10.67,49.5) ; v2(10.67,49.5) 11.13,49.96 ; v2(10.67,49.5) 10.21,49.96 ; v2(10.67,49.5) 11.13,49.03 ; v2(11.94,48.23) 12.4,48.69 ; v2(11.94,48.23) 11.48,48.69 ; v2(11.94,48.23) 12.4,47.76 ; v2(11.94,48.23) 11.48,47.76 ; v2(6.86,43.15) 7.32,43.61 ; v2(6.86,43.15) 6.4,43.61 ; v2(6.86,43.15) 7.32,42.68 ; v2(6.86,43.15) 6.4,42.68 ; 14.02,150.36 v2(14.48,149.89) 14.02,149.43 ; 6.4,114.8 v2(6.86,114.33) ; v2(6.86,114.33) 6.4,113.87 ; v2(6.86,114.33) 7.32,113.87 ; v2(6.86,114.33) 7.32,114.8 ; 7.67,115.14 v2(8.13,115.6) ; v2(8.13,115.6) 7.67,116.07 ; v2(8.13,115.6) 8.59,115.14 ; v2(8.13,115.6) 8.59,116.07 ; 14.02,114.8 v2(14.48,114.33) 14.02,113.87 ; 6.4,118.61 v2(6.86,118.14) ; v2(6.86,118.14) 7.32,117.68 ; v2(6.86,118.14) 6.4,117.68 ; v2(6.86,118.14) 7.32,118.61 ; 8.94,116.41 v2(9.4,116.87) ; v2(9.4,116.87) 9.86,117.34 ; v2(9.4,116.87) 8.94,117.34 ; v2(9.4,116.87) 9.86,116.41 ; v2(9.4,49.5) 9.86,49.96 ; v2(9.4,49.5) 8.94,49.03 ; v2(9.4,49.5) 8.94,49.96 ; v2(9.4,49.5) 9.86,49.03 ; 10.21,117.68 v2(10.67,118.14) ; v2(10.67,118.14) 10.21,118.61 ; v2(10.67,118.14) 11.13,117.68 ; v2(10.67,118.14) 11.13,118.61 ; v2(10.67,40.61) 11.13,40.14 ; v2(10.67,40.61) 10.21,41.07 ; v2(10.67,40.61) 10.21,40.14 ; v2(10.67,40.61) 11.13,41.07 ; 5.13,39.8 v2(5.59,39.34) ; v2(5.59,39.34) 6.05,38.87 ; v2(5.59,39.34) 6.05,39.8 ; v2(5.59,39.34) 5.13,38.87 ; 7.67,34.72 v2(8.13,34.26) 8.59,34.72 ; 8.94,42.34 v2(9.4,41.88) ; v2(9.4,41.88) 9.86,41.41 ; v2(9.4,41.88) 9.86,42.34 ; v2(9.4,41.88) 8.94,41.41 ; 6.05,34.72 v2(5.59,34.26) 5.13,34.72 ; 12.4,151.97 v2(11.94,152.43) 11.48,151.97 ; 5.13,38.53 v2(5.59,38.07) ; v2(5.59,38.07) 6.05,38.53 ; v2(5.59,38.07) 6.05,37.6 ; v2(5.59,38.07) 5.13,37.6 ; v2(8.13,43.15) 8.59,42.68 ; v2(8.13,43.15) 7.67,43.61 ; v2(8.13,43.15) 8.59,43.61 ; v2(8.13,43.15) 7.67,42.68 ; 7.32,32.52 v2(6.86,32.99) 6.4,32.52 ; 11.48,147.82 v2(11.94,147.35) 12.4,147.82 ; 14.02,147.82 v2(14.48,147.35) ; 13.67,34.72 v2(13.21,34.26) 12.75,34.72 ; 14.02,151.97 v2(14.48,152.43) ; 6.4,147.82 v2(6.86,147.35) 7.32,147.82 ; 14.02,124.96 v2(14.48,124.49) 14.02,124.03
  TOP w0.216: v2(6.86,104.17) 6.86,104.81 ; v2(11.94,55.85) 11.94,55.21 ; v2(8.13,106.71) 8.13,106.08 ; 13.21,144.11 v2(13.21,143.54) 13.21,142.98 ; 6.86,51.4 v2(6.86,52.04) 6.86,52.67 ; 8.13,132.82 v2(8.13,133.38) 8.13,133.95 ; 13.21,75.46 v2(13.21,74.9) 13.21,74.26 ; 9.4,139.03 v2(9.4,138.46) 9.4,137.9 ; 11.94,132.68 v2(11.94,132.11) 11.94,131.55 ; 8.13,140.3 v2(8.13,139.73) 8.13,139.17 ; 13.21,139.03 v2(13.21,138.46) 13.21,137.9 ; v2(9.4,52.04) 9.4,51.4 ; 11.94,139.03 v2(11.94,138.46) 11.94,137.9 ; v2(8.13,62.2) 8.13,61.56 ; 6.86,111.16 v2(6.86,110.52) 6.86,109.89 ; 8.13,51.4 v2(8.13,52.04) 8.13,52.67 ; 41.4,141.6 v2(38.23,141.6) ; v2(9.4,110.52) 9.4,111.16 ; 13.21,135.36 v2(13.21,135.92) 13.21,136.49 ; 10.67,142.98 v2(10.67,143.54) 10.67,144.11 ; v2(6.86,55.85) 6.86,56.48 ; 10.67,136.49 v2(10.67,135.92) 10.67,135.36 ; v2(8.13,73.63) 8.13,72.99 ; 10.67,130.28 v2(10.67,130.84) 10.67,131.41 ; 9.4,132.68 v2(9.4,132.11) 9.4,131.55 ; v2(6.86,106.71) 6.86,106.08 ; v2(10.67,129.57) 10.67,129.01 ; 10.67,142.84 v2(10.67,142.27) 10.67,141.71 ; 6.86,130.14 v2(6.86,129.57) 6.86,129.01 ; v2(5.59,110.52) 5.59,111.16 ; 8.13,141.57 v2(8.13,141) 8.13,140.44 ; v2(6.86,102.9) 6.86,102.27 ; 8.13,144.11 v2(8.13,143.54) 8.13,142.98 ; 9.4,141.71 v2(9.4,142.27) 9.4,142.84 ; 9.4,128.87 v2(9.4,128.3) 9.4,127.74 ; 11.94,142.84 v2(11.94,142.27) 11.94,141.71 ; 9.4,136.63 v2(9.4,137.19) 9.4,137.76 ; v2(8.13,67.28) 8.13,67.91 ; v2(11.94,68.55) 11.94,69.18 ; 9.4,140.44 v2(9.4,141) 9.4,141.57 ; v2(13.21,105.44) 13.21,104.81 ; 6.86,128.87 v2(6.86,128.3) 6.86,127.74 ; v2(13.21,59.66) 13.21,59.02 ; v2(8.13,66.01) 8.13,65.37 ; 9.4,131.41 v2(9.4,130.84) 9.4,130.28 ; 10.67,141.57 v2(10.67,141) 10.67,140.44 ; v2(11.94,134.65) 11.94,134.09 ; v2(13.21,128.3) 13.21,127.74 ; v2(11.94,63.47) 11.94,62.83 ; v2(9.4,129.57) 9.4,129.01 ; 6.86,132.82 v2(6.86,133.38) 6.86,133.95 ; v2(13.21,72.36) 13.21,72.99 ; v2(13.21,64.74) 13.21,65.37 ; v2(10.67,128.3) 10.67,127.74 ; 11.94,74.26 v2(11.94,74.9) 11.94,75.46 ; 11.94,130.28 v2(11.94,130.84) 11.94,131.41 ; 8.13,132.68 v2(8.13,132.11) 8.13,131.55 ; v2(13.21,106.71) 13.21,107.35 ; v2(6.86,62.2) 6.86,61.56 ; v2(6.86,63.47) 6.86,64.1 ; 8.13,130.14 v2(8.13,129.57) 8.13,129.01 ; v2(9.4,133.38) 9.4,132.82 ; v2(8.13,55.85) 8.13,56.48 ; 8.13,128.87 v2(8.13,128.3) 8.13,127.74 ; v2(6.86,107.98) 6.86,108.62 ; v2(14.48,143.54) 14.48,144.11 ; v2(11.94,105.44) 11.94,104.81 ; v2(11.94,52.04) 11.94,51.4 ; 9.4,135.36 v2(9.4,135.92) 9.4,136.49 ; 10.67,132.68 v2(10.67,132.11) 10.67,131.55 ; v2(9.4,102.9) 9.4,102.27 ; 8.13,136.49 v2(8.13,135.92) 8.13,135.36 ; v2(13.21,55.85) 13.21,55.21 ; 13.21,130.28 v2(13.21,130.84) 13.21,131.41 ; v2(5.59,143.54) 5.59,144.11 ; 13.21,141.71 v2(13.21,142.27) 13.21,142.84 ; 6.86,139.17 v2(6.86,139.73) 6.86,140.3 ; v2(6.86,71.09) 6.86,71.72 ; v2(9.4,134.65) 9.4,134.09 ; 11.94,103.54 v2(11.94,102.9) 11.94,102.27 ; 11.94,142.98 v2(11.94,143.54) 11.94,144.11 ; v2(11.94,128.3) 11.94,127.74 ; 6.86,140.44 v2(6.86,141) 6.86,141.57 ; v2(13.21,60.93) 13.21,61.56 ; v2(5.59,128.3) 5.59,127.74 ; 10.67,139.03 v2(10.67,138.46) 10.67,137.9 ; v2(8.13,71.09) 8.13,71.72 ; v2(6.86,73.63) 6.86,72.99 ; v2(13.21,134.65) 13.21,134.09 ; 6.86,136.49 v2(6.86,135.92) 6.86,135.36 ; 9.4,140.3 v2(9.4,139.73) 9.4,139.17 ; 6.86,142.98 v2(6.86,143.54) 6.86,144.11 ; 9.4,142.98 v2(9.4,143.54) 9.4,144.11 ; v2(11.94,71.09) 11.94,70.45 ; v2(10.67,74.9) 10.67,75.46 ; v2(11.94,53.31) 11.94,53.94 ; v2(13.21,63.47) 13.21,62.83 ; v2(5.59,102.9) 5.59,102.27 ; 6.86,131.55 v2(6.86,132.11) 6.86,132.68 ; v2(11.94,110.52) 11.94,111.16 ; v2(10.67,134.65) 10.67,134.09 ; v2(14.48,74.9) 14.48,75.46 ; v2(9.4,74.9) 9.4,75.46 ; v2(11.94,67.28) 11.94,66.64 ; v2(11.94,57.12) 11.94,57.75 ; 13.21,132.68 v2(13.21,132.11) 13.21,131.55 ; v2(11.94,64.74) 11.94,65.37 ; v2(13.21,68.55) 13.21,69.18 ; v2(8.13,63.47) 8.13,64.1 ; v2(8.13,102.9) 8.13,102.27 ; v2(10.67,133.38) 10.67,132.82 ; 8.13,136.63 v2(8.13,137.19) 8.13,137.76 ; v2(8.13,59.66) 8.13,60.29 ; v2(5.59,74.9) 5.59,75.46 ; v2(13.21,53.31) 13.21,53.94 ; v2(11.94,72.36) 11.94,72.99 ; v2(8.13,54.58) 8.13,53.94 ; v2(6.86,67.28) 6.86,67.91 ; v2(10.67,52.04) 10.67,51.4 ; v2(11.3,128.3) 11.3,128.87 ; 10.67,136.63 v2(10.67,137.19) 10.67,137.76 ; v2(14.48,52.04) 14.48,51.4 ; 13.21,103.54 v2(13.21,102.9) 13.21,102.27 ; v2(10.67,102.9) 10.67,102.27 ; v2(6.86,66.01) 6.86,65.37 ; 13.21,140.3 v2(13.21,139.73) 13.21,139.17 ; v2(11.94,60.93) 11.94,61.56 ; v2(6.86,69.82) 6.86,69.18 ; v2(6.86,54.58) 6.86,53.94 ; v2(10.67,110.52) 10.67,111.16 ; 11.94,135.36 v2(11.94,135.92) 11.94,136.49 ; v2(6.86,59.66) 6.86,60.29 ; v2(8.13,104.17) 8.13,104.81 ; v2(13.21,57.12) 13.21,57.75 ; v2(6.86,58.39) 6.86,57.75 ; v2(13.21,109.25) 13.21,108.62 ; 11.94,139.17 v2(11.94,139.73) 11.94,140.3 ; v2(8.13,107.98) 8.13,108.62 ; v2(6.86,74.9) 6.86,75.46 ; v2(8.13,74.9) 8.13,75.46 ; v2(8.13,69.82) 8.13,69.18 ; 8.13,111.16 v2(8.13,110.52) 8.13,109.89 ; 6.86,137.76 v2(6.86,137.19) 6.86,136.63 ; v2(14.48,102.9) 14.48,102.27 ; v2(11.94,59.66) 11.94,59.02 ; 10.67,140.3 v2(10.67,139.73) 10.67,139.17 ; v2(13.21,110.52) 13.21,111.16 ; v2(13.21,52.04) 13.21,51.4 ; v2(13.21,71.09) 13.21,70.45 ; v2(5.59,52.04) 5.59,51.4 ; v2(14.48,128.3) 14.48,127.74 ; v2(13.21,67.28) 13.21,66.64 ; v2(8.13,58.39) 8.13,57.75 ; v2(11.94,109.25) 11.94,108.62 ; v2(14.48,110.52) 14.48,111.16 ; v2(11.94,106.71) 11.94,107.35